# Altium PCB PCB-Tester-Board.PcbDoc (part 4 of 7)
Units mm, origin at the board's own origin, x right, y up, seen from the top; angles counter-clockwise.
Board outline 400 x 300 mm, 8 copper layers (Top Layer, Inner1, Inner2, Inner3, Inner4, Inner5, Inner6, Bottom Layer), stack 1.515 mm thick; 757 components, 658 nets, 2830 pads, 1016 vias.
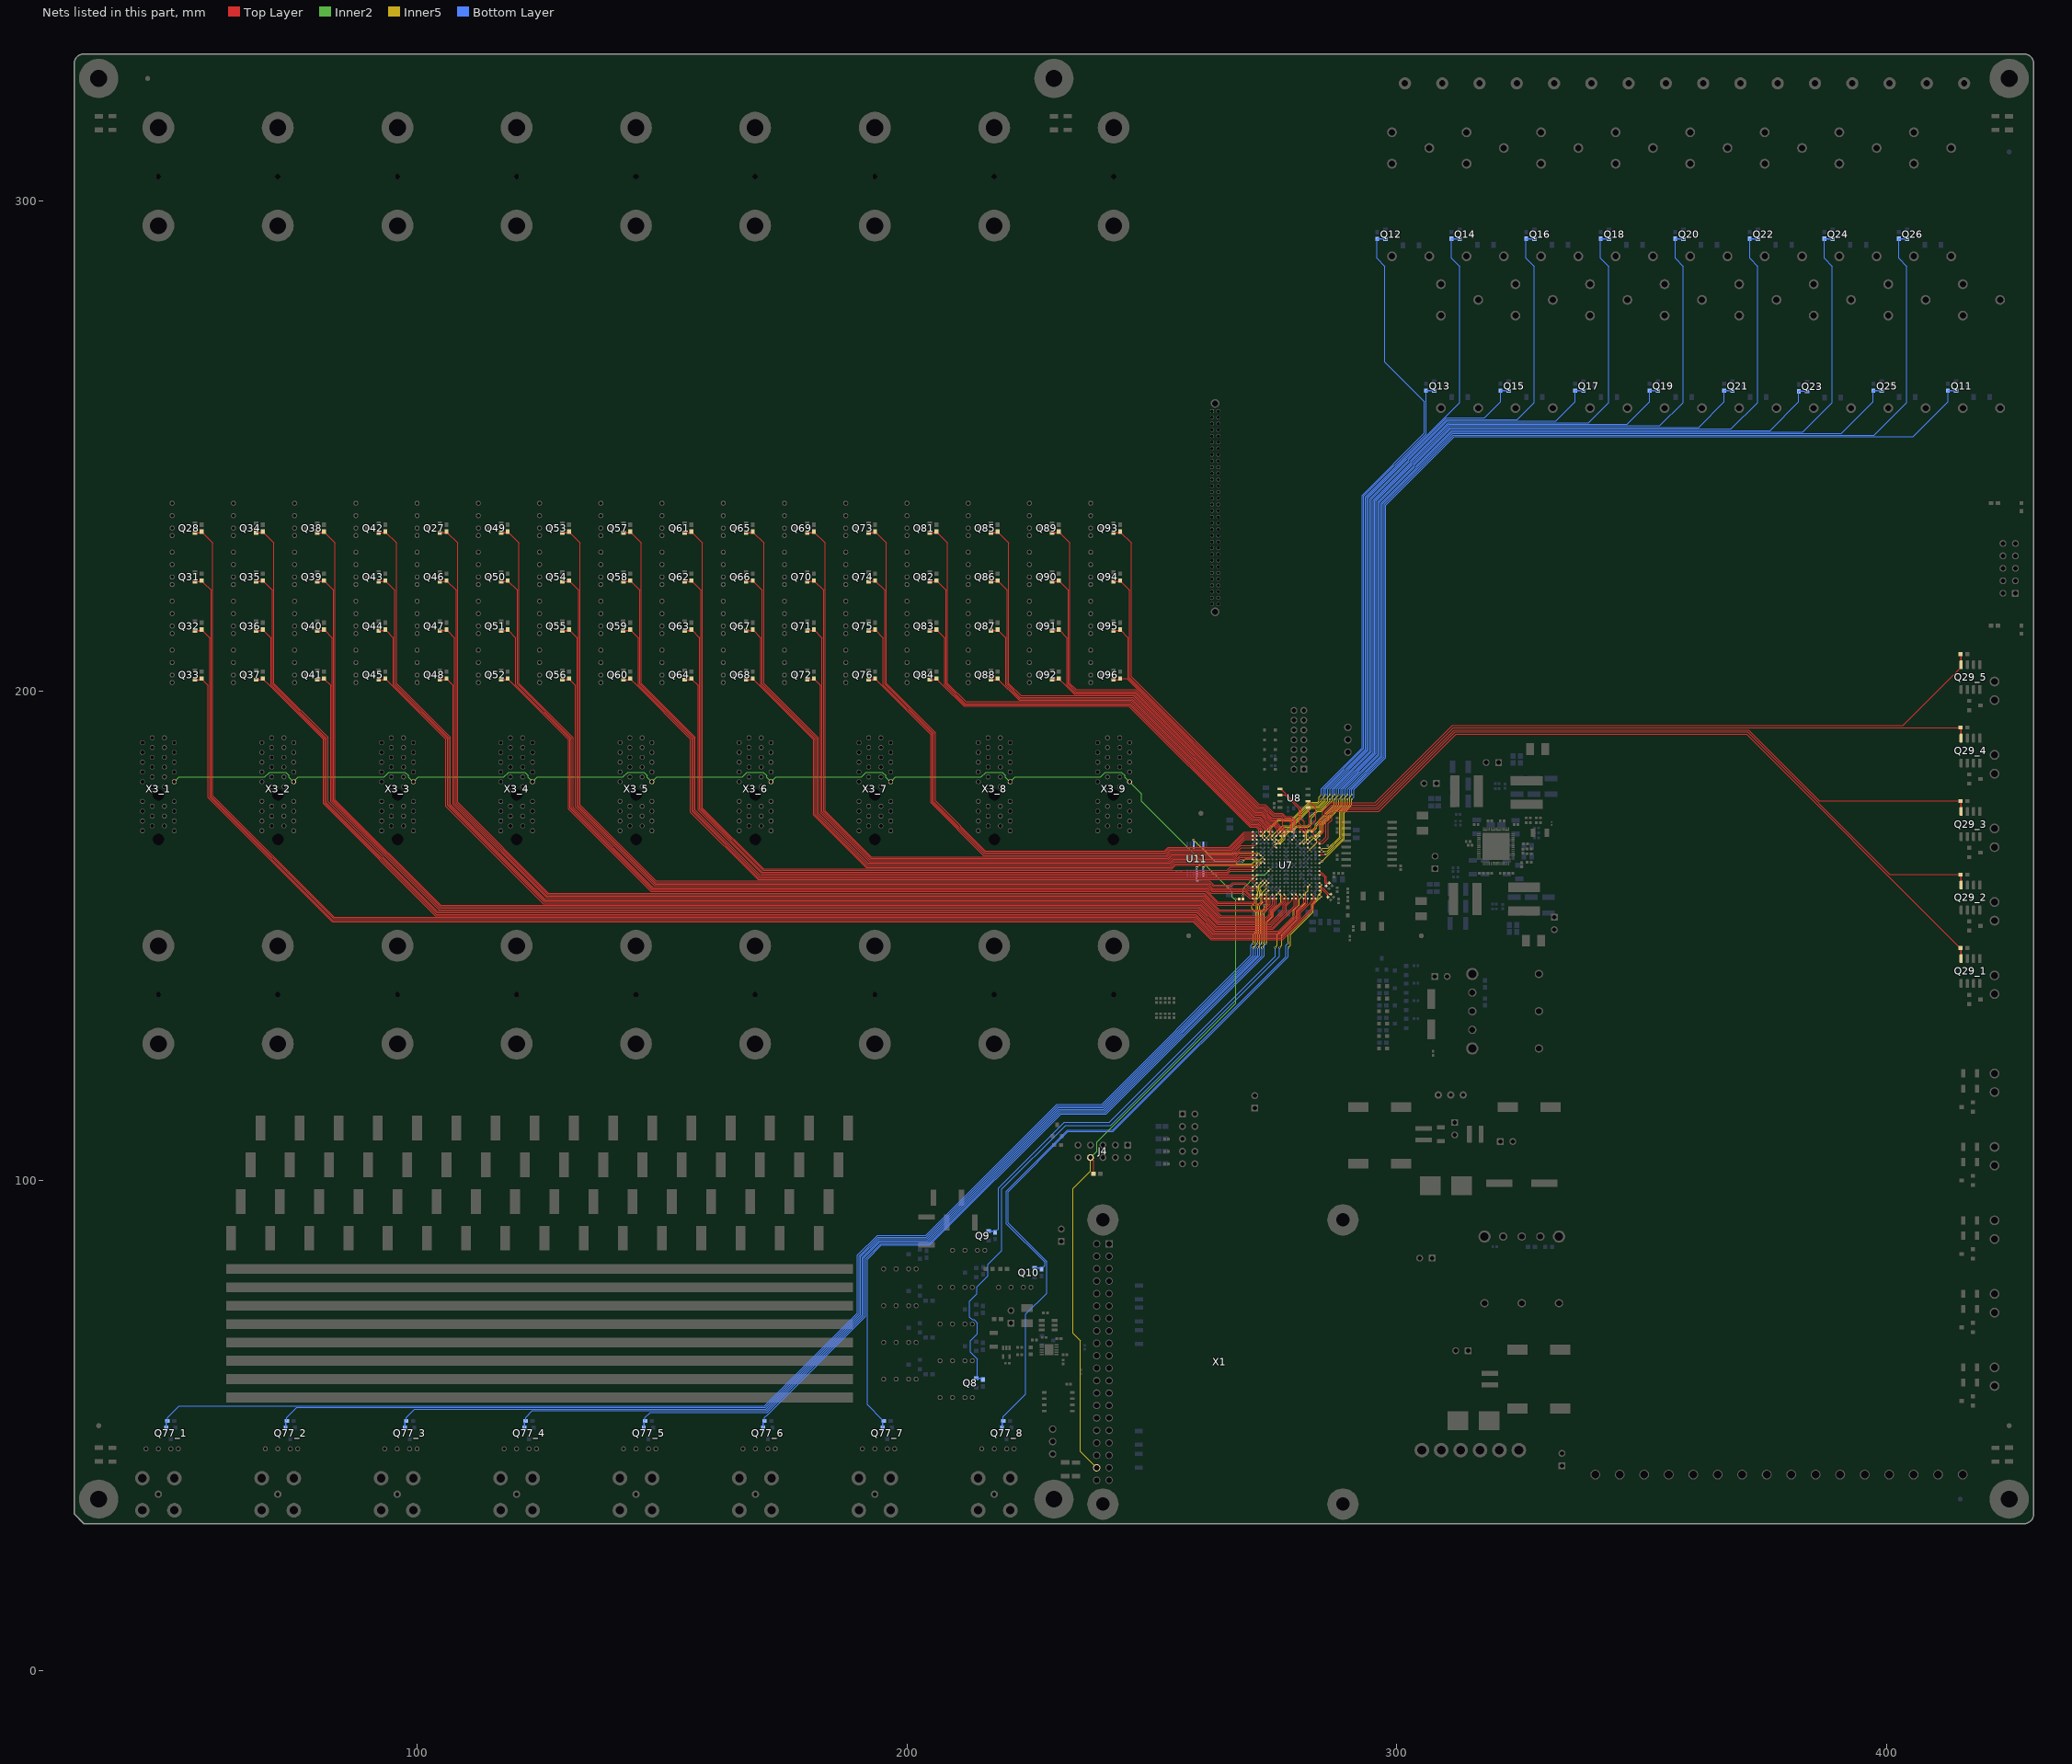
[diagram p10: the nets of this part, all layers, seen from the top]

## Via types
v1: diameter 0.4, hole 0.2, Top Layer to Bottom Layer, 601 vias
v2: diameter 0.8, hole 0.3, Top Layer to Bottom Layer, 361 vias
v3: diameter 0.7, hole 0.3, Top Layer to Bottom Layer, 54 vias

## Nets (pads, with @x,y where several pads share a name; then routed paths per layer and width w, separated by ;. In a path a pad name is that pad's centre, name@x,y a point inside that pad or via, vN(x,y) a via of type N, cw(c..) or ccw(c..) an arc to the next point about the centre after c; other vN are vias at no path point) (continued)
DRV8: Q8.1 R9.2 U7.R15 | length 138.3
  Top Layer w0.152: U7.R15@281.8,160 v1(282.2,160.4)
  Inner5 w0.152: v1(276.058,147.607) 276.505,148.053 276.505,150.206 279.591,153.292 279.591,154.944 281.436,156.788 281.436,158.756 281.868,159.189 281.868,160.068 v1(282.2,160.4)
  Bottom Layer w0.152: Q8.1@214.39,59.94 214.39,63.573 212.98,64.983 212.98,67.362 214.401,68.783 214.401,70.9 213.673,71.628 213.307,71.628 212.8,72.136 212.8,75.456 214.271,76.927 214.271,78.332 216.515,80.576 216.515,82.898 219.323,85.705 219.323,98.278 232.361,111.316 241.565,111.316 276.058,145.809 v1(276.058,147.607)
  Bottom Layer w0.254: Q8.1@214.13,59.68 R9.2@215.25,59.68
DRV9: Q9.1 R14.2 U7.U13 | length 101.3
  Top Layer w0.152: U7.U13@280.2,158.4 v1(280.6,158)
  Inner5 w0.152: v1(275.165,147.607) 275.612,148.053 275.612,150.206 278.898,153.492 278.898,155.17 280.043,156.315 280.043,157.443 v1(280.6,158)
  Bottom Layer w0.152: R14.2@218.141,89.661 218.324,89.844 218.326,89.844 218.669,90.187 218.669,98.548 232.09,111.97 241.294,111.97 275.165,145.841 v1(275.165,147.607)
  Bottom Layer w0.254: Q9.1@216.67,89.72 R14.2@217.79,89.72
DRV10: Q10.1 R15.2 U7.P18 | length 115.2
  Top Layer w0.152: U7.P18@284.2,160.8 v1(284.6,160.4)
  Inner5 w0.152: v1(277.845,148.5) 277.845,150.222 282.598,154.975 282.598,156.461 283.895,157.757 283.895,158.177 284.6,158.882 v1(284.6,160.4)
  Bottom Layer w0.152: R15.2@227.762,82.294 227.772,82.304 228.171,82.703 228.171,83.36 220.304,91.227 220.304,97.871 232.767,110.334 241.972,110.334 277.398,145.761 277.398,148.053 v1(277.845,148.5)
  Bottom Layer w0.254: Q10.1@226.078,82.18 R15.2@227.198,82.18
DRV11: Q29_5.1 R38_5.2 U7.B17 | length 151.2
  Top Layer w0.127: 283,170.8 283,171.6
  Top Layer w0.152: 283,170.8 U7.B17@283.4,170.4
  Top Layer w0.203: 283,171.6 284.155,172.755 284.155,173.665 284.89,174.4 284.89,175.487 286.585,177.181 295.591,177.181 311.364,192.955 403.37,192.955 415.19,204.775 Q29_5.1@415.19,205.35
  Top Layer w0.254: R38_5.2@415.05,207.5 415.19,207.36 Q29_5.1@415.19,205.35
DRV12: Q29_4.1 R38_4.2 U7.A18 | length 143.4
  Top Layer w0.152: U7.A18@284.2,171.2 284.6,171.6
  Top Layer w0.203: 284.61,171.6 284.61,173.477 285.345,174.212 285.345,175.298 286.773,176.726 295.779,176.726 311.553,192.5 R38_4.2@415.05,192.5
  Top Layer w0.254: Q29_4.1@415.19,190.35 R38_4.2@415.19,192.36
DRV13: Q29_3.1 R38_3.2 U7.B18 | length 149.7
  Top Layer w0.152: U7.B18@284.2,170.4 284.6,170.8
  Top Layer w0.203: 284.6,170.8 285.065,171.265 285.065,173.288 285.8,174.023 285.8,175.11 286.962,176.272 295.968,176.272 311.741,192.045 371.742,192.045 386.287,177.5 R38_3.2@415.05,177.5
  Top Layer w0.254: Q29_3.1@415.19,175.35 R38_3.2@415.19,177.36
DRV14: Q29_2.1 R38_2.2 U7.C17 | length 157.5
  Top Layer w0.127: 283.8,169.2 284.6,169.2
  Top Layer w0.152: U7.C17@283.4,169.6 283.8,169.2
  Top Layer w0.203: 284.6,169.2 285.52,170.12 285.52,173.1 286.255,173.835 286.255,174.922 287.15,175.817 296.156,175.817 311.93,191.59 371.553,191.59 400.643,162.5 R38_2.2@415.05,162.5
  Top Layer w0.254: Q29_2.1@415.19,160.35 R38_2.2@415.19,162.36
DRV15: Q29_1.1 R38_1.2 U7.D18 | length 162.6
  Top Layer w0.152: U7.D18@284.2,168.8 284.817,168.8 284.962,168.945
  Top Layer w0.203: 284.962,168.945 285.975,169.958 285.975,172.911 286.71,173.646 286.71,174.733 287.338,175.362 296.345,175.362 312.118,191.135 371.365,191.135 414.702,147.798 415,147.5 R38_1.2@415.05,147.5
  Top Layer w0.254: Q29_1.1@415.19,145.35 R38_1.2@415.19,147.36
DRV16: Q77_1.1 R1_1.2 U7.P2 | length 285.8
  Top Layer w0.152: v1(271,160.4) U7.P2@271.4,160.8
  Inner5 w0.152: v1(270.7,148.5) 270.7,150.362 271.223,150.885 271.223,154.746 270.418,155.551 270.418,156.111 271.007,156.7 271.007,157.585 271.634,158.213 271.634,158.952 271.493,159.094 271.493,159.907 v1(271,160.4)
  Bottom Layer w0.152: R1_1.2@49.027,50.986 49.027,51.654 51.399,54.026 170.943,54.026 189.906,72.988 189.906,84.768 193.969,88.831 203.826,88.831 230.589,115.593 239.793,115.593 270.253,146.053 270.253,148.053 v1(270.7,148.5)
  Bottom Layer w0.254: Q77_1.1@48.777,49.603 48.777,50.736 R1_1.2@49.027,50.986
DRV17: Q77_2.1 R1_2.2 U7.P3 | length 261.9
  Top Layer w0.152: U7.P3@272.2,160.8 v1(272.6,161.2)
  Inner5 w0.152: v1(270.7,147.607) 271.147,148.053 271.147,150.346 271.55,150.75 271.55,154.947 271.329,155.168 271.329,157.427 271.961,158.058 271.961,159.085 271.807,159.239 271.807,160.407 v1(272.6,161.2)
  Bottom Layer w0.152: R1_2.2@73.402,50.986 73.402,51.641 75.455,53.694 171.081,53.694 190.238,72.851 190.238,84.631 194.106,88.5 203.964,88.5 230.726,115.262 239.931,115.262 270.7,146.031 v1(270.7,147.607)
  Bottom Layer w0.254: Q77_2.1@73.153,49.603 R1_2.2@73.153,50.736
DRV18: Q77_3.1 R1_3.2 U7.P4 | length 238.2
  Top Layer w0.152: U7.P4@273,160.8 v1(273.4,161.2)
  Inner5 w0.152: v1(271.593,148.5) 271.593,150.362 271.855,150.624 271.855,155.073 271.634,155.294 271.634,156.286 272.284,156.937 272.284,159.239 272.119,159.404 272.119,159.919 v1(273.4,161.2)
  Bottom Layer w0.152: R1_3.2@97.778,50.986 97.778,51.641 99.499,53.363 171.218,53.363 190.569,72.714 190.569,84.494 194.244,88.168 204.101,88.168 230.863,114.931 240.068,114.931 271.147,146.009 271.147,148.053 v1(271.593,148.5)
  Bottom Layer w0.254: Q77_3.1@97.528,49.603 R1_3.2@97.528,50.736
DRV19: Q77_4.1 R1_4.2 U7.P5 | length 213.1
  Top Layer w0.152: v1(273.4,160.4) U7.P5@273.8,160.8
  Inner5 w0.152: v1(271.593,147.607) 272.04,148.053 272.04,150.346 272.182,150.488 272.182,155.208 271.961,155.429 271.961,156.151 272.599,156.789 272.599,158.899 273.4,159.7 v1(273.4,160.4)
  Bottom Layer w0.152: R1_4.2@122.152,50.986 122.152,51.641 123.543,53.032 171.355,53.032 190.9,72.577 190.9,84.356 194.381,87.837 204.238,87.837 231.001,114.599 240.205,114.599 271.593,145.987 v1(271.593,147.607)
  Bottom Layer w0.254: Q77_4.1@121.902,49.603 R1_4.2@121.902,50.736
DRV20: Q77_5.1 R1_5.2 U7.U4 | length 186.4
  Top Layer w0.127: 273.4,157.2 273.4,158
  Top Layer w0.152: v1(272.91,156.286) 273.4,156.776 273.4,157.2 ; U7.U4@273,158.4 273.4,158
  Inner5 w0.152: v1(272.486,148.5) 272.486,155.011 272.91,155.435 v1(272.91,156.286)
  Bottom Layer w0.152: R1_5.2@146.527,50.986 146.527,51.641 147.586,52.7 171.493,52.7 191.232,72.439 191.232,84.219 194.518,87.505 204.376,87.505 231.138,114.268 240.343,114.268 272.04,145.965 272.04,148.053 v1(272.486,148.5)
  Bottom Layer w0.254: Q77_5.1@146.278,49.603 R1_5.2@146.278,50.736
DRV21: Q77_6.1 R1_6.2 U7.T5 | length 163.1
  Top Layer w0.152: v1(273.4,158.8) U7.T5@273.8,159.2
  Inner5 w0.152: v1(272.486,147.607) 272.933,148.053 272.933,154.774 273.4,155.242 v1(273.4,158.8)
  Bottom Layer w0.152: R1_6.2@170.903,50.986 170.903,51.641 171.63,52.369 191.563,72.302 191.563,84.082 194.655,87.174 204.513,87.174 231.275,113.936 240.48,113.936 272.486,145.943 v1(272.486,147.607)
  Bottom Layer w0.254: Q77_6.1@170.653,49.603 R1_6.2@170.653,50.736
DRV22: Q77_7.1 R1_7.2 U7.T8 | length 157.3
  Top Layer w0.152: v1(275.8,158.8) U7.T8@276.2,159.2
  Inner5 w0.152: v1(273.379,148.5) 273.379,152.762 274.504,153.887 274.504,155.013 276.285,156.794 276.285,158.315 v1(275.8,158.8)
  Bottom Layer w0.152: R1_7.2@195.278,50.986 194.954,51.31 194.892,51.31 191.895,54.308 191.895,83.945 194.793,86.843 204.65,86.843 231.412,113.605 240.617,113.605 272.933,145.921 272.933,148.053 v1(273.379,148.5)
  Bottom Layer w0.254: Q77_7.1@195.028,49.603 R1_7.2@195.028,50.736
DRV23: Q77_8.1 R1_8.2 U7.U18 | length 147.5
  Top Layer w0.152: U7.U18@284.2,158.4 v1(284.6,158)
  Inner5 w0.152: v1(277.845,147.607) 278.291,148.053 278.291,150.206 282.925,154.84 282.925,156.325 v1(284.6,158)
  Bottom Layer w0.152: R1_8.2@219.652,50.986 219.652,51.844 224.231,56.423 224.231,72.777 228.498,77.044 228.498,83.495 220.631,91.363 220.631,97.736 232.903,110.007 242.107,110.007 277.845,145.745 v1(277.845,147.607)
  Bottom Layer w0.254: Q77_8.1@219.402,49.603 R1_8.2@219.402,50.736
DRV24: Q12.1 R17.2 U7.C4 | length 144.9
  Top Layer w0.152: v1(272.6,170) U7.C4@273,169.6
  Inner5 w0.152: v1(272.6,170) 272.6,170.653 275.767,173.819 278.57,173.819 282.014,177.263 283.832,177.263 284.115,177.546 284.115,178.331 v1(284.562,178.778)
  Bottom Layer w0.152: v1(284.562,178.778) 284.562,180.007 292.92,188.366 292.92,239.901 305.623,252.604 305.623,259.019 297.581,267.061 297.581,286.664 295.943,288.302 R17.2@295.943,292.27
  Bottom Layer w0.254: R17.2@295.981,292.231 Q12.1@297.669,292.231
DRV25: Q13.1 R18.2 U7.C5 | length 109.7
  Top Layer w0.152: v1(273.4,170) U7.C5@273.8,169.6
  Inner5 w0.152: v1(273.4,170) 274.1,170.7 274.1,171.7 275.899,173.499 278.702,173.499 282.146,176.943 283.964,176.943 284.562,177.54 v1(284.562,177.885)
  Bottom Layer w0.152: v1(284.562,177.885) 285.008,178.331 285.008,180.001 293.24,188.233 293.24,239.769 305.943,252.471 R18.2@305.943,261.27
  Bottom Layer w0.254: R18.2@305.943,261.27 Q13.1@307.63,261.27
DRV26: Q14.1 R19.2 U7.C6 | length 143.1
  Top Layer w0.152: v1(274.2,170) U7.C6@274.6,169.6
  Inner5 w0.152: v1(274.2,170) 276.722,172.522 278.166,172.522 282.275,176.631 284.093,176.631 285.008,177.546 285.008,178.331 v1(285.455,178.778)
  Bottom Layer w0.152: v1(285.455,178.778) 285.455,179.995 293.56,188.101 293.56,239.636 312.801,258.877 312.801,286.664 311.163,288.302 R19.2@311.163,292.27
  Bottom Layer w0.254: R19.2@311.163,292.27 Q14.1@312.85,292.27
DRV27: Q15.1 R20.2 U7.C7 | length 118.9
  Top Layer w0.152: v1(275,170) U7.C7@275.4,169.6
  Inner5 w0.152: v1(275,170) 277.202,172.202 278.298,172.202 282.408,176.312 284.226,176.312 285.455,177.54 v1(285.455,177.885)
  Bottom Layer w0.152: v1(285.455,177.885) 285.901,178.331 285.901,179.989 293.88,187.968 293.88,239.503 310.079,255.702 317.881,255.702 321.163,258.984 R20.2@321.163,261.27
  Bottom Layer w0.254: R20.2@321.163,261.27 Q15.1@322.85,261.27
DRV28: Q16.1 R21.2 U7.D7 | length 158.3
  Top Layer w0.152: v1(275,169.2) U7.D7@275.4,168.8
  Inner5 w0.127: 275.4,169.6 276.141,169.6
  Inner5 w0.152: v1(275,169.2) 275.4,169.6 ; 276.141,169.6 276.506,169.966 276.506,170.664 277.722,171.879 278.416,171.879 282.537,176 284.355,176 285.901,177.546 285.901,178.331 v1(286.348,178.778)
  Bottom Layer w0.152: v1(286.348,178.778) 286.348,179.983 294.2,187.836 294.2,239.371 310.211,255.382 324.526,255.382 328.021,258.877 328.021,286.664 326.383,288.302 R21.2@326.383,292.27
  Bottom Layer w0.254: R21.2@326.383,292.27 Q16.1@328.07,292.27
DRV29: Q17.1 R22.2 U7.D8 | length 134.8
  Top Layer w0.152: v1(275.8,169.2) U7.D8@276.2,168.8
  Inner5 w0.152: v1(275.8,169.2) 276.183,169.2 276.819,169.836 276.819,170.535 277.851,171.566 278.545,171.566 279.492,172.513 281.822,172.513 282.162,172.853 282.162,174.143 283.699,175.68 284.488,175.68 286.348,177.54 v1(286.348,177.885)
  Bottom Layer w0.152: v1(286.348,177.885) 286.794,178.331 286.794,179.977 294.52,187.703 294.52,239.238 310.344,255.062 332.461,255.062 336.383,258.984 R22.2@336.383,261.27
  Bottom Layer w0.254: R22.2@336.383,261.27 Q17.1@338.07,261.27
DRV30: Q18.1 R23.2 U7.E7 | length 174.6
  Top Layer w0.152: v1(275,168.4) U7.E7@275.4,168
  Inner5 w0.127: 275.4,168.8 276.223,168.8
  Inner5 w0.152: v1(275,168.4) 275.4,168.8 ; 276.223,168.8 277.131,169.707 277.131,170.406 277.98,171.255 278.674,171.255 279.621,172.202 281.951,172.202 282.473,172.724 282.473,174.014 283.828,175.369 284.617,175.369 286.794,177.546 286.794,178.331 v1(287.241,178.778)
  Bottom Layer w0.152: v1(287.241,178.778) 287.244,178.781 287.244,179.975 294.84,187.571 294.84,239.106 310.476,254.742 339.106,254.742 343.241,258.877 343.241,286.664 341.603,288.302 R23.2@341.603,292.27
  Bottom Layer w0.254: R23.2@341.603,292.27 Q18.1@343.29,292.27
DRV31: Q19.1 R24.2 U7.D13 | length 145.7
  Top Layer w0.152: U7.D13@280.2,168.8 v1(280.6,169.2)
  Inner5 w0.152: v1(280.6,169.2) 281.278,169.878 281.278,171.112 281.829,171.662 282.811,171.662 283.318,172.168 283.318,172.732 287.241,176.656 v1(287.241,177.885)
  Bottom Layer w0.152: v1(287.241,177.885) 287.687,178.331 287.687,179.965 295.16,187.438 295.16,238.973 ; 295.16,238.973 310.609,254.422 347.041,254.422 351.603,258.984 R24.2@351.603,261.27
  Bottom Layer w0.254: R24.2@351.603,261.27 Q19.1@353.29,261.27
DRV32: Q20.1 R25.2 U7.D14 | length 183.7
  Top Layer w0.152: U7.D14@281,168.8 v1(281.4,169.2)
  Inner5 w0.152: v1(281.4,169.2) 281.4,169.223 281.59,169.413 281.59,170.983 281.958,171.351 282.94,171.351 283.629,172.039 283.629,172.603 287.687,176.662 287.687,178.331 v1(288.134,178.778)
  Bottom Layer w0.152: v1(288.134,178.778) 288.143,178.787 288.143,179.969 295.48,187.306 295.48,238.841 310.741,254.102 353.686,254.102 358.461,258.877 358.461,286.664 356.823,288.302 R25.2@356.823,292.27
  Bottom Layer w0.254: R25.2@356.823,292.27 Q20.1@358.51,292.27
DRV33: Q21.1 R26.2 U7.C15 | length 158.7
  Top Layer w0.152: U7.C15@281.8,169.6 v1(282.2,170)
  Inner5 w0.152: v1(282.2,170) 282.454,170.254 283.136,170.254 284.265,171.383 284.265,172.786 288.134,176.656 v1(288.134,177.885)
  Bottom Layer w0.152: v1(288.134,177.885) 288.58,178.331 288.58,179.953 295.8,187.173 295.8,238.708 310.874,253.782 361.621,253.782 366.823,258.984 R26.2@366.823,261.27
  Bottom Layer w0.254: R26.2@366.823,261.27 Q21.1@368.51,261.27
DRV34: Q22.1 R27.2 U7.D15 | length 197.6
  Top Layer w0.152: U7.D15@281.8,168.8 v1(282.2,169.2)
  Inner5 w0.152: v1(282.2,169.2) 282.943,169.943 283.265,169.943 284.576,171.254 284.576,172.657 288.58,176.662 288.58,178.331 v1(289.027,178.778)
  Bottom Layer w0.152: v1(289.027,178.778) 289.027,179.947 296.12,187.04 296.12,238.576 311.006,253.462 368.266,253.462 373.681,258.877 373.681,286.664 372.043,288.302 R27.2@372.043,292.27
  Bottom Layer w0.254: R27.2@372.043,292.27 Q22.1@373.73,292.27
DRV35: Q23.1 R28.2 U7.E15 | length 175.3
  Top Layer w0.152: U7.E15@281.8,168 v1(282.2,167.6)
  Inner5 w0.152: v1(282.2,167.6) 283.607,169.007 283.607,169.832 284.896,171.121 284.896,172.525 289.027,176.656 v1(289.027,177.885)
  Bottom Layer w0.152: v1(289.027,177.885) 289.473,178.331 289.473,179.941 296.44,186.908 296.44,238.443 311.139,253.142 376.201,253.142 382.043,258.984 R28.2@382.043,261.137
  Bottom Layer w0.254: R28.2@382.043,261.137 Q23.1@383.73,261.137
DRV36: Q24.1 R29.2 U7.E18 | length 213.4
  Top Layer w0.152: U7.E18@284.2,168 v1(284.6,167.6)
  Inner5 w0.152: v1(284.6,167.6) 284.855,167.855 286.028,167.855 288.326,170.153 288.326,175.514 289.473,176.662 289.473,178.331 v1(289.92,178.778)
  Bottom Layer w0.152: v1(289.92,178.778) 289.92,179.935 296.76,186.775 296.76,238.311 311.271,252.822 382.846,252.822 388.901,258.877 388.901,286.664 387.263,288.302 R29.2@387.263,292.27
  Bottom Layer w0.254: R29.2@387.263,292.27 Q24.1@388.95,292.27
DRV37: Q25.1 R30.2 U7.F18 | length 190.2
  Top Layer w0.152: U7.F18@284.207,167.2 284.412,166.995 284.81,166.995 v1(285.015,167.2)
  Inner5 w0.152: v1(285.015,167.2) 285.826,167.2 288.646,170.02 288.646,175.382 289.92,176.656 v1(289.92,177.885)
  Bottom Layer w0.152: v1(289.92,177.885) 290.367,178.331 290.367,179.929 297.08,186.643 297.08,238.178 311.404,252.502 390.781,252.502 397.263,258.984 R30.2@397.263,261.27
  Bottom Layer w0.254: R30.2@397.263,261.27 Q25.1@398.95,261.27
DRV38: Q26.1 R31.2 U7.G18 | length 229
  Top Layer w0.152: U7.G18@284.2,166.4 284.213,166.4 284.418,166.605 v1(285.4,166.605)
  Inner5 w0.152: v1(285.4,166.605) 285.415,166.62 285.686,166.62 288.958,169.891 288.958,175.253 290.367,176.662 290.367,178.331 v1(290.813,178.778)
  Bottom Layer w0.152: v1(290.813,178.778) 290.813,179.924 297.4,186.51 297.4,238.046 311.536,252.182 397.426,252.182 404.121,258.877 404.121,286.664 402.483,288.302 R31.2@402.483,292.27
  Bottom Layer w0.254: R31.2@402.483,292.27 Q26.1@404.17,292.27
DRV39: Q11.1 R16.2 U7.J18 | length 206.2
  Top Layer w0.152: U7.J18@284.2,164.8 v1(284.677,165.158)
  Inner5 w0.152: v1(284.677,165.158) 289.277,169.759 289.277,175.12 290.813,176.656 v1(290.813,177.885)
  Bottom Layer w0.152: v1(290.813,177.885) 291.26,178.331 291.26,179.918 297.72,186.378 297.72,237.913 311.669,251.862 405.361,251.862 412.483,258.984 R16.2@412.483,261.27
  Bottom Layer w0.254: R16.2@412.483,261.27 Q11.1@414.17,261.27
DRV40: Q28.1 R33.2 U7.V15 | length 295.9
  Top Layer w0.152: R33.2@56,232.522 56,232.472 58.283,230.189 58.283,178.56 83.064,153.778 258.745,153.778 262.431,150.092 276.284,150.092 280.099,153.907 280.099,154.901 281.8,156.603 U7.V15@281.8,157.6
  Top Layer w0.254: Q28.1@54.65,232.272 55.75,232.272 R33.2@56,232.522
DRV41: Q31.1 R48.2 U7.V16 | length 286.7
  Top Layer w0.152: R48.2@56,222.522 56,222.472 56.324,222.148 57.976,220.496 57.976,178.433 82.938,153.472 258.618,153.472 262.304,149.786 276.411,149.786 280.405,153.78 280.405,154.774 282.6,156.969 U7.V16@282.6,157.6
  Top Layer w0.254: Q31.1@54.65,222.272 R48.2@55.75,222.272
DRV42: Q32.1 R49.2 U7.U16 | length 278.6
  Top Layer w0.127: 283,157.2 283,158
  Top Layer w0.152: R49.2@56,212.522 56.324,212.198 56.324,212.147 57.67,210.801 57.67,178.306 82.811,153.165 258.492,153.165 262.177,149.48 276.537,149.48 282.642,155.584 282.642,156.465 283,156.823 283,157.2 ; U7.U16@282.6,158.4 283,158
  Top Layer w0.254: Q32.1@54.65,212.272 R49.2@55.75,212.272
DRV43: Q33.1 R50.2 U7.V17 | length 268.5
  Top Layer w0.152: R50.2@56,202.522 56.324,202.198 56.324,202.147 57.364,201.107 57.364,178.179 82.684,152.859 258.365,152.859 262.05,149.173 276.664,149.173 282.948,155.457 282.948,156.338 283.4,156.79 U7.V17@283.4,157.6
  Top Layer w0.254: Q33.1@54.65,202.272 R50.2@55.75,202.272
DRV44: Q34.1 R51.2 U7.V12 | length 273.7
  Top Layer w0.152: R51.2@68.5,232.472 70.783,230.189 70.783,201.488 81.797,190.474 81.797,177.33 104.117,155.01 259.256,155.01 262.941,151.324 274.725,151.324 279.4,155.999 U7.V12@279.4,157.6
  Top Layer w0.254: Q34.1@67.15,232.272 R51.2@68.25,232.272
DRV45: Q35.1 R52.2 U7.U12 | length 266.2
  Top Layer w0.127: 279.8,157.2 279.8,158
  Top Layer w0.152: R52.2@68.472,222.5 70.476,220.496 70.476,201.361 81.49,190.347 81.49,177.204 103.99,154.703 259.129,154.703 262.814,151.018 275.9,151.018 279.173,154.291 279.173,155.285 279.8,155.911 279.8,157.2 ; U7.U12@279.4,158.4 279.8,158
  Top Layer w0.254: Q35.1@67.15,222.272 R52.2@68.25,222.272
DRV46: Q36.1 R53.2 U7.V14 | length 256.4
  Top Layer w0.152: R53.2@68.538,212.433 70.17,210.801 70.17,201.234 81.184,190.22 81.184,177.077 103.863,154.397 259.002,154.397 262.687,150.711 276.027,150.711 279.48,154.164 279.48,155.158 281.046,156.724 281.046,157.554 U7.V14@281,157.6
  Top Layer w0.254: Q36.1@67.15,212.272 R53.2@68.25,212.272
DRV47: Q37.1 R54.2 U7.U14 | length 248.3
  Top Layer w0.127: 281.4,157.2 281.4,158
  Top Layer w0.152: R54.2@68.532,202.438 69.864,201.107 80.877,190.093 80.877,176.95 103.737,154.091 258.875,154.091 262.561,150.405 276.154,150.405 279.786,154.037 279.786,155.031 281.4,156.645 281.4,157.2 ; U7.U14@281,158.4 281.4,158
  Top Layer w0.254: Q37.1@67.15,202.272 R54.2@68.25,202.272
DRV48: Q38.1 R55.2 U7.U9 | length 265.4
  Top Layer w0.127: 277.4,157.2 277.4,158
  Top Layer w0.152: R55.2@81,232.472 83.283,230.189 83.283,177.774 104.816,156.242 259.766,156.242 263.451,152.556 274.089,152.556 276.839,155.306 276.839,156.357 277.4,156.918 277.4,157.2 ; U7.U9@277,158.4 277.4,158
  Top Layer w0.254: Q38.1@79.65,232.272 R55.2@80.75,232.272
DRV49: Q39.1 R56.2 U7.V10 | length 255.4
  Top Layer w0.152: R56.2@80.972,222.5 82.976,220.496 82.976,177.647 104.689,155.935 259.639,155.935 263.325,152.249 274.216,152.249 277.146,155.179 277.146,156.23 277.8,156.884 U7.V10@277.8,157.6
  Top Layer w0.254: Q39.1@79.65,222.272 R56.2@80.75,222.272
DRV50: Q40.1 R57.2 U7.V11 | length 246.4
  Top Layer w0.152: R57.2@81.038,212.433 82.67,210.801 82.67,177.521 104.562,155.629 259.512,155.629 263.198,151.943 274.343,151.943 277.452,155.052 277.452,156.103 278.6,157.251 U7.V11@278.6,157.6
  Top Layer w0.254: Q40.1@79.65,212.272 R57.2@80.75,212.272
DRV51: Q41.1 R58.2 U7.U11 | length 238.4
  Top Layer w0.127: 279,157.2 279,158
  Top Layer w0.152: R58.2@81.032,202.438 82.364,201.107 82.364,177.394 104.435,155.322 259.385,155.322 263.071,151.637 274.596,151.637 279,156.041 279,157.2 ; U7.U11@278.6,158.4 279,158
  Top Layer w0.254: Q41.1@79.65,202.272 R58.2@80.75,202.272
DRV52: Q42.1 R59.2 U7.U7 | length 243.8
  Top Layer w0.127: 275,157.2 275,158
  Top Layer w0.152: R59.2@93.5,232.472 95.783,230.189 95.783,201.488 106.804,190.466 106.804,176.825 126.156,157.473 260.276,157.473 263.962,153.787 273.356,153.787 273.939,154.371 273.939,155.239 275,156.3 275,157.2 ; 275,158 U7.U7@275.4,158.4
  Top Layer w0.254: Q42.1@92.15,232.272 R59.2@93.25,232.272
DRV53: Q43.1 R60.2 U7.V7 | length 233.7
  Top Layer w0.152: R60.2@93.472,222.5 95.476,220.496 95.476,201.361 106.498,190.339 106.498,176.698 126.029,157.167 260.149,157.167 263.835,153.481 273.482,153.481 274.246,154.244 274.246,155.112 275.351,156.217 U7.V7@275.351,157.549
  Top Layer w0.254: Q43.1@92.15,222.272 R60.2@93.25,222.272
DRV54: Q44.1 R61.2 U7.U8 | length 225.9
  Top Layer w0.127: 276.6,157.2 276.6,158
  Top Layer w0.152: R61.2@93.538,212.433 95.17,210.801 95.17,201.234 106.192,190.212 106.192,176.571 125.902,156.86 260.022,156.86 263.708,153.175 273.609,153.175 274.552,154.117 274.552,154.985 276.6,157.033 276.6,157.2 ; U7.U8@276.2,158.4 276.6,158
  Top Layer w0.254: Q44.1@92.15,212.272 R61.2@93.25,212.272
DRV55: Q45.1 R62.2 U7.V9 | length 215.9
  Top Layer w0.152: R62.2@93.532,202.438 94.864,201.107 105.885,190.085 105.885,176.444 125.775,156.554 259.895,156.554 263.581,152.868 273.736,152.868 274.858,153.99 274.858,154.858 277,157 U7.V9@277,157.6
  Top Layer w0.254: Q45.1@92.15,202.272 R62.2@93.25,202.272
DRV56: Q27.1 R32.2 U7.V4 | length 231.6
  Top Layer w0.152: R32.2@106,232.472 108.283,230.189 108.283,177.217 126.795,158.705 260.786,158.705 263.245,156.246 272.165,156.246 273,157.081 U7.V4@273,157.6
  Top Layer w0.254: Q27.1@104.65,232.272 R32.2@105.75,232.272
DRV57: Q46.1 R63.2 U7.V5 | length 223.8
  Top Layer w0.152: R63.2@105.972,222.5 107.976,220.496 107.976,177.09 126.668,158.399 260.659,158.399 263.758,155.3 272.592,155.3 273.8,156.508 U7.V5@273.8,157.6
  Top Layer w0.254: Q46.1@104.65,222.272 R63.2@105.75,222.272
DRV58: Q47.1 R64.2 U7.U6 | length 215.6
  Top Layer w0.127: 274.2,157.2 274.2,158
  Top Layer w0.152: R64.2@106.038,212.433 107.67,210.801 107.67,176.963 126.541,158.092 260.532,158.092 263.631,154.994 272.719,154.994 274.2,156.475 274.2,157.2 ; 274.2,158 U7.U6@274.6,158.4
  Top Layer w0.254: Q47.1@104.65,212.272 R64.2@105.75,212.272
DRV59: Q48.1 R65.2 U7.V6 | length 206.1
  Top Layer w0.152: R65.2@106.032,202.438 107.364,201.107 107.364,176.836 126.414,157.786 260.405,157.786 264.091,154.1 272.3,154.1 274.6,156.4 U7.V6@274.6,157.6
  Top Layer w0.254: Q48.1@104.65,202.272 R65.2@105.75,202.272
DRV60: Q49.1 R66.2 U7.U2 | length 210.1
  Top Layer w0.127: 270.2,158 271,158
  Top Layer w0.152: R66.2@118.5,232.472 120.783,230.189 120.783,201.488 131.831,190.439 131.831,176.25 148.145,159.937 261.296,159.937 262.222,159.011 268.987,159.011 269.999,158 270.2,158 ; 271,158 U7.U2@271.4,158.4
  Top Layer w0.254: Q49.1@117.15,232.272 R66.2@118.25,232.272
DRV61: Q50.1 R67.2 U7.V1 | length 199.6
  Top Layer w0.152: R67.2@118.472,222.5 120.476,220.496 120.476,201.361 131.525,190.312 131.525,176.123 148.018,159.63 261.169,159.63 262.095,158.705 268.861,158.705 269.966,157.6 U7.V1@270.6,157.6
  Top Layer w0.254: Q50.1@117.15,222.272 R67.2@118.25,222.272
DRV62: Q51.1 R68.2 U7.V2 | length 191.2
  Top Layer w0.152: R68.2@118.538,212.433 120.17,210.801 120.17,201.234 131.219,190.185 131.219,175.996 147.891,159.324 261.042,159.324 263.473,156.894 270.694,156.894 U7.V2@271.4,157.6
  Top Layer w0.254: Q51.1@117.15,212.272 R68.2@118.25,212.272
DRV63: Q52.1 R69.2 U7.U3 | length 184.1
  Top Layer w0.127: 272.6,157.2 272.6,158
  Top Layer w0.152: R69.2@118.532,202.438 119.864,201.107 130.912,190.058 130.912,175.87 147.764,159.017 260.916,159.017 263.346,156.587 271.987,156.587 272.6,157.2 ; U7.U3@272.2,158.4 272.6,158
  Top Layer w0.254: Q52.1@117.15,202.272 R69.2@118.25,202.272
DRV64: Q53.1 R70.2 U7.R1 | length 202.5
  Top Layer w0.152: R70.2@131,232.472 133.283,230.189 133.283,176.682 148.796,161.168 261.806,161.168 262.611,160.364 266.02,160.364 266.513,160.857 268.955,160.857 269.844,159.968 270.568,159.968 U7.R1@270.6,160
  Top Layer w0.254: Q53.1@129.65,232.272 R70.2@130.75,232.272
DRV65: Q54.1 R71.2 U7.R2 | length 193.9
  Top Layer w0.127: 270.2,159.6 271,159.6
  Top Layer w0.152: R71.2@130.972,222.5 132.976,220.496 132.976,176.555 148.669,160.862 261.68,160.862 262.484,160.058 266.147,160.058 266.64,160.55 268.828,160.55 269.778,159.6 270.2,159.6 ; 271,159.6 U7.R2@271.4,160
  Top Layer w0.254: Q54.1@129.65,222.272 R71.2@130.75,222.272
DRV66: Q55.1 R72.2 U7.T1 | length 182.8
  Top Layer w0.152: R72.2@131.038,212.433 132.67,210.801 132.67,176.428 148.542,160.556 261.553,160.556 262.478,159.63 269.244,159.63 269.674,159.2 U7.T1@270.6,159.2
  Top Layer w0.254: Q55.1@129.65,212.272 R72.2@130.75,212.272
DRV67: Q56.1 R73.2 U7.U1 | length 173.4
  Top Layer w0.152: R73.2@131.032,202.438 132.364,201.107 132.364,176.301 148.416,160.249 261.426,160.249 262.351,159.324 269.117,159.324 270.041,158.4 U7.U1@270.6,158.4
  Top Layer w0.254: Q56.1@129.65,202.272 R73.2@130.75,202.272
DRV68: Q57.1 R74.2 U7.M1 | length 182.8
  Top Layer w0.152: R74.2@143.5,232.472 145.783,230.189 145.783,201.488 156.758,190.513 156.758,175.621 169.978,162.4 U7.M1@270.6,162.4
  Top Layer w0.254: Q57.1@142.15,232.272 R74.2@143.25,232.272
DRV69: Q58.1 R75.2 U7.M2 | length 174.2
  Top Layer w0.127: 270.2,162 271,162
  Top Layer w0.152: R75.2@143.472,222.5 145.476,220.496 145.476,201.361 156.451,190.386 156.451,175.494 169.852,162.094 270.106,162.094 270.2,162 ; 271,162 U7.M2@271.4,162.4
  Top Layer w0.254: Q58.1@142.15,222.272 R75.2@143.25,222.272
DRV70: Q59.1 R76.2 U7.N1 | length 163.5
  Top Layer w0.152: R76.2@143.538,212.433 145.17,210.801 145.17,201.234 156.145,190.259 156.145,175.367 169.725,161.787 269.91,161.787 270.098,161.6 U7.N1@270.6,161.6
  Top Layer w0.254: Q59.1@142.15,212.272 R76.2@143.25,212.272
DRV71: Q60.1 R77.2 U7.N2 | length 154.9
  Top Layer w0.127: 270.2,161.2 271,161.2
  Top Layer w0.152: R77.2@143.532,202.438 144.864,201.107 155.839,190.132 155.839,175.24 169.598,161.481 269.712,161.481 269.993,161.2 270.2,161.2 ; 271,161.2 U7.N2@271.4,161.6
  Top Layer w0.254: Q60.1@142.15,202.272 R77.2@143.25,202.272
DRV72: Q61.1 R78.2 U7.J2 | length 177.2
  Top Layer w0.127: 270.2,164.4 271,164.4
  Top Layer w0.152: R78.2@156,232.472 158.283,230.189 158.283,176.063 170.714,163.632 254.087,163.632 254.855,164.4 270.2,164.4 ; 271,164.4 U7.J2@271.4,164.8
  Top Layer w0.254: Q61.1@154.65,232.272 R78.2@155.75,232.272
DRV73: Q62.1 R79.2 U7.K1 | length 166.6
  Top Layer w0.152: R79.2@155.972,222.5 157.976,220.496 157.976,175.936 170.587,163.325 265.301,163.325 265.975,164 U7.K1@270.6,164
  Top Layer w0.254: Q62.1@154.65,222.272 R79.2@155.75,222.272
DRV74: Q63.1 R80.2 U7.K2 | length 157.8
  Top Layer w0.127: 270.2,163.6 271,163.6
  Top Layer w0.152: R80.2@156.038,212.433 157.67,210.801 157.67,175.809 170.46,163.019 265.427,163.019 266.009,163.6 270.2,163.6 ; 271,163.6 U7.K2@271.4,164
  Top Layer w0.254: Q63.1@154.65,212.272 R80.2@155.75,212.272
DRV75: Q64.1 R81.2 U7.L1 | length 147.2
  Top Layer w0.152: R81.2@156.032,202.438 157.364,201.107 157.364,175.682 170.333,162.713 265.554,162.713 266.042,163.2 U7.L1@270.6,163.2
  Top Layer w0.254: Q64.1@154.65,202.272 R81.2@155.75,202.272
DRV76: Q65.1 R82.2 U7.G2 | length 158.8
  Top Layer w0.127: 270.2,166.8 271,166.8
  Top Layer w0.152: R82.2@168.5,232.472 170.783,230.189 170.783,201.488 181.884,190.386 181.884,174.978 191.999,164.863 253.577,164.863 254.345,165.632 266.727,165.632 267.896,166.8 270.2,166.8 ; 271,166.8 U7.G2@271.4,166.4
  Top Layer w0.254: Q65.1@167.15,232.272 R82.2@168.25,232.272
DRV77: Q66.1 R83.2 U7.G1 | length 148.2
  Top Layer w0.152: R83.2@168.472,222.5 170.476,220.496 170.476,201.361 181.578,190.259 181.578,174.851 191.872,164.557 253.704,164.557 254.472,165.325 266.854,165.325 267.929,166.4 U7.G1@270.6,166.4
  Top Layer w0.254: Q66.1@167.15,222.272 R83.2@168.25,222.272
DRV78: Q67.1 R84.2 U7.H2 | length 139.4
  Top Layer w0.127: 270.2,166 271,166
  Top Layer w0.152: R84.2@168.538,212.433 170.17,210.801 170.17,201.234 181.271,190.132 181.271,174.724 191.745,164.251 253.831,164.251 254.599,165.019 266.981,165.019 267.962,166 270.2,166 ; 271,166 U7.H2@271.4,165.6
  Top Layer w0.254: Q67.1@167.15,212.272 R84.2@168.25,212.272
DRV79: Q68.1 R85.2 U7.H1 | length 128.9
  Top Layer w0.152: R85.2@168.532,202.438 169.864,201.107 180.965,190.005 180.965,174.597 191.618,163.944 253.958,163.944 254.726,164.713 267.108,164.713 268.033,165.638 270.562,165.638 U7.H1@270.6,165.6
  Top Layer w0.254: Q68.1@167.15,202.272 R85.2@168.25,202.272
DRV80: Q69.1 R86.2 U7.C1 | length 151.7
  Top Layer w0.152: R86.2@181,232.472 183.283,230.189 183.283,175.504 192.691,166.095 253.067,166.095 253.835,166.863 266.217,166.863 268.996,169.642 270.558,169.642 U7.C1@270.6,169.6
  Top Layer w0.254: Q69.1@179.65,232.272 R86.2@180.75,232.272
DRV81: Q70.1 R87.2 U7.D2 | length 142.7
  Top Layer w0.127: 270.2,168.4 271,168.4
  Top Layer w0.152: R87.2@180.972,222.5 182.976,220.496 182.976,175.377 192.564,165.789 253.194,165.789 253.962,166.557 266.344,166.557 268.187,168.4 270.2,168.4 ; 271,168.4 U7.D2@271.4,168.8
  Top Layer w0.254: Q70.1@179.65,222.272 R87.2@180.75,222.272
DRV82: Q71.1 R88.2 U7.E1 | length 132
  Top Layer w0.152: R88.2@181.038,212.433 182.67,210.801 182.67,175.25 192.437,165.482 253.32,165.482 254.089,166.251 266.471,166.251 268.22,168 U7.E1@270.6,168
  Top Layer w0.254: Q71.1@179.65,212.272 R88.2@180.75,212.272
DRV83: Q72.1 R89.2 U7.F1 | length 122.2
  Top Layer w0.152: R89.2@181.032,202.438 182.364,201.107 182.364,175.123 192.311,165.176 253.447,165.176 254.216,165.944 266.598,165.944 267.854,167.2 U7.F1@270.6,167.2
  Top Layer w0.254: Q72.1@179.65,202.272 R89.2@180.75,202.272
DRV84: Q73.1 R90.2 U7.A1 | length 131.8
  Top Layer w0.152: R90.2@193.5,232.472 195.783,230.189 195.783,201.488 205.796,191.475 205.796,177.507 215.976,167.327 252.556,167.327 253.325,168.095 265.707,168.095 268.812,171.2 U7.A1@270.6,171.2
  Top Layer w0.254: Q73.1@192.15,232.272 R90.2@193.25,232.272
DRV85: Q74.1 R91.2 U7.B2 | length 123.1
  Top Layer w0.127: 270.2,170.8 271,170.8
  Top Layer w0.152: R91.2@193.472,222.5 195.476,220.496 195.476,201.361 205.489,191.348 205.489,177.38 215.849,167.02 252.683,167.02 253.452,167.789 265.834,167.789 268.845,170.8 270.2,170.8 ; 271,170.8 U7.B2@271.4,170.4
  Top Layer w0.254: Q74.1@192.15,222.272 R91.2@193.25,222.272
DRV86: Q75.1 R92.2 U7.B1 | length 112.4
  Top Layer w0.152: R92.2@193.538,212.433 195.17,210.801 195.17,201.234 205.183,191.221 205.183,177.254 215.723,166.714 252.81,166.714 253.579,167.482 265.961,167.482 268.878,170.4 U7.B1@270.6,170.4
  Top Layer w0.254: Q75.1@192.15,212.272 R92.2@193.25,212.272
DRV87: Q76.1 R93.2 U7.C2 | length 103.7
  Top Layer w0.127: 270.2,170 271,170
  Top Layer w0.152: R93.2@193.532,202.438 194.864,201.107 204.877,191.094 204.877,177.127 215.596,166.408 252.937,166.408 253.706,167.176 266.088,167.176 268.912,170 270.2,170 ; 271,170 U7.C2@271.4,169.6
  Top Layer w0.254: Q76.1@192.15,202.272 R93.2@193.25,202.272
DRV88: Q81.1 R143.2 U7.A4 | length 110.6
  Top Layer w0.152: R143.2@206,232.472 208.283,230.189 208.283,201.488 211.99,197.78 245.675,197.78 270.382,173.074 271.626,173.074 273,171.7 U7.A4@273,171.2
  Top Layer w0.254: Q81.1@204.65,232.272 R143.2@205.75,232.272
DRV89: Q82.1 R144.2 U7.B4 | length 101.4
  Top Layer w0.127: 272.6,170.8 272.6,171.6
  Top Layer w0.152: R144.2@205.972,222.5 207.976,220.496 207.976,201.361 211.863,197.474 245.548,197.474 270.255,172.767 271.5,172.767 272.6,171.667 272.6,171.6 ; 272.6,170.8 U7.B4@273,170.4
  Top Layer w0.254: Q82.1@204.65,222.272 R144.2@205.75,222.272
DRV90: Q83.1 R145.2 U7.A3 | length 90.2
  Top Layer w0.152: R145.2@206.038,212.433 207.67,210.801 207.67,201.234 211.736,197.167 245.421,197.167 270.128,172.461 271.373,172.461 272.2,171.633 U7.A3@272.2,171.2
  Top Layer w0.254: Q83.1@204.65,212.272 R145.2@205.75,212.272
DRV91: Q84.1 R146.2 U7.B3 | length 81
  Top Layer w0.127: 271.8,170.8 271.8,171.6
  Top Layer w0.152: R146.2@206.032,202.438 207.364,201.107 211.609,196.861 245.295,196.861 270.001,172.154 271.246,172.154 271.8,171.6 ; 271.8,170.8 U7.B3@272.2,170.4
  Top Layer w0.254: Q84.1@204.65,202.272 R146.2@205.75,202.272
DRV92: Q85.1 R147.2 U7.B7 | length 101.7
  Top Layer w0.127: 275.8,170.8 275.8,171.457
  Top Layer w0.152: R147.2@218.5,232.472 220.783,230.189 220.783,201.488 223.265,199.006 246.183,199.006 270.89,174.299 272.134,174.299 273.857,172.576 274.682,172.576 275.8,171.457 ; U7.B7@275.4,170.4 275.8,170.8
  Top Layer w0.254: Q85.1@217.15,232.272 R147.2@218.25,232.272
DRV93: Q86.1 R148.2 U7.A6 | length 90
  Top Layer w0.152: R148.2@218.472,222.5 220.476,220.496 220.476,201.361 223.138,198.699 246.056,198.699 270.763,173.993 272.007,173.993 273.731,172.269 274.03,172.269 274.561,171.739 274.561,171.239 U7.A6@274.6,171.2
  Top Layer w0.254: Q86.1@217.15,222.272 R148.2@218.25,222.272
DRV94: Q87.1 R149.2 U7.B6 | length 80.6
  Top Layer w0.127: 274.2,170.8 274.2,171.6
  Top Layer w0.152: R149.2@218.538,212.433 220.17,210.801 220.17,201.234 223.011,198.393 245.929,198.393 270.636,173.686 271.88,173.686 273.604,171.963 273.837,171.963 274.2,171.6 ; 274.2,170.8 U7.B6@274.6,170.4
  Top Layer w0.254: Q87.1@217.15,212.272 R149.2@218.25,212.272
DRV95: Q88.1 R150.2 U7.A5 | length 69.4
  Top Layer w0.152: R150.2@218.532,202.438 222.884,198.086 245.802,198.086 270.509,173.38 271.753,173.38 273.4,171.733 273.4,171.6 U7.A5@273.8,171.2
  Top Layer w0.254: Q88.1@217.15,202.272 R150.2@218.25,202.272
DRV96: Q89.1 R151.2 U7.B9 | length 91.4
  Top Layer w0.127: 277.4,170.8 277.4,171.6
  Top Layer w0.152: R151.2@231,232.472 233.283,230.189 233.283,201.488 234.539,200.231 246.691,200.231 271.397,175.525 272.642,175.525 274.365,173.801 276.096,173.801 276.668,173.229 276.668,172.332 277.4,171.6 ; U7.B9@277,170.4 277.4,170.8
  Top Layer w0.254: Q89.1@229.65,232.272 R151.2@230.75,232.272
DRV97: Q90.1 R152.2 U7.A9 | length 79.8
  Top Layer w0.152: R152.2@230.972,222.5 232.976,220.496 232.976,201.361 234.412,199.925 246.564,199.925 271.27,175.218 272.515,175.218 274.238,173.495 275.062,173.495 277,171.557 U7.A9@277,171.2
  Top Layer w0.254: Q90.1@229.65,222.272 R152.2@230.75,222.272
DRV98: Q91.1 R153.2 U7.B8 | length 70.5
  Top Layer w0.127: 276.6,170.8 276.6,171.524
  Top Layer w0.152: R153.2@231.038,212.433 232.67,210.801 232.67,201.234 234.285,199.618 246.437,199.618 271.143,174.912 272.388,174.912 274.111,173.188 274.936,173.188 276.6,171.524 ; U7.B8@276.2,170.4 276.6,170.8
  Top Layer w0.254: Q91.1@229.65,212.272 R153.2@230.75,212.272
DRV99: Q92.1 R154.2 U7.A8 | length 59.4
  Top Layer w0.152: R154.2@231.032,202.438 232.364,201.107 234.158,199.312 246.31,199.312 271.016,174.605 272.261,174.605 273.984,172.882 274.809,172.882 276.191,171.5 276.191,171.209 U7.A8@276.2,171.2
  Top Layer w0.254: Q92.1@229.65,202.272 R154.2@230.75,202.272
DRV100: Q93.1 R155.2 U7.A13 | length 80.2
  Top Layer w0.152: R155.2@243.5,232.472 245.783,230.189 245.783,202.872 271.905,176.75 273.149,176.75 274.873,175.027 276.604,175.027 277.279,174.352 278.468,174.352 279.349,173.471 279.349,172.746 280.4,171.695 280.4,171.418 280.2,171.218 U7.A13@280.2,171.2
  Top Layer w0.254: Q93.1@242.15,232.272 R155.2@243.25,232.272
DRV101: Q94.1 R156.2 U7.B12 | length 70.5
  Top Layer w0.127: 279,170.8 279,171.6
  Top Layer w0.152: R156.2@243.472,222.5 245.476,220.496 245.476,202.745 271.778,176.444 273.022,176.444 274.746,174.72 276.477,174.72 277.152,174.045 278.341,174.045 279,173.386 279,171.6 ; 279,170.8 U7.B12@279.4,170.4
  Top Layer w0.254: Q94.1@242.15,222.272 R156.2@243.25,222.272
DRV102: Q95.1 R157.2 U7.A11 | length 59.3
  Top Layer w0.152: R157.2@243.538,212.433 245.17,210.801 245.17,202.618 271.651,176.137 272.896,176.137 274.619,174.414 276.35,174.414 277.025,173.739 278.214,173.739 278.6,173.353 U7.A11@278.6,171.2
  Top Layer w0.254: Q95.1@242.15,212.272 R157.2@243.25,212.272
DRV103: Q96.1 R158.2 U7.A10 | length 50.3
  Top Layer w0.152: R158.2@243.5,202.522 244.833,202.522 271.524,175.831 272.769,175.831 274.492,174.108 276.223,174.108 276.898,173.433 278.087,173.433 278.294,173.226 278.294,171.694 U7.A10@277.8,171.2
  Top Layer w0.254: Q96.1@242.15,202.272 R158.2@243.25,202.272
ECLK_15: U7.A14 U8.6 | length 10.2
  Top Layer w0.152: U8.6@276.13,178.735 277.165,178.735 280.055,175.845 280.055,172.974 280.749,172.281 280.749,171.451 U7.A14@281,171.2
ECS_15: U7.A15 U8.1 | length 5.3
  Top Layer w0.152: U7.A15@281.8,171.2 281.8,172.426 282.157,172.783 282.157,176.017 281.979,176.195 U8.1@281.87,176.195
ESI_15: U7.B14 U8.5 | length 12.1
  Top Layer w0.127: 281.4,170.8 281.4,171.6
  Top Layer w0.152: U8.5@276.13,180.005 276.308,179.827 276.554,179.827 280.447,175.934 280.447,173.888 281.109,173.226 281.109,171.891 281.4,171.6 ; U7.B14@281,170.4 281.4,170.8
ESO_15: U7.A16 U8.2 | length 7.6
  Top Layer w0.152: U8.2@281.87,177.465 282.048,177.287 282.294,177.287 283.447,176.134 283.447,173.597 282.4,172.549 282.4,171.418 282.6,171.218 U7.A16@282.6,171.2
F_CS_15: R184.1 U7.J4 U11.11 | length 17.2
  Top Layer w0.152: v1(272.6,165.2) U7.J4@273,164.8
  Inner5 w0.152: v1(259.15,163.921) 259.959,164.73 270.473,164.73 270.913,165.17 272.57,165.17 v1(272.6,165.2)
  Bottom Layer w0.152: v1(259.15,163.921) 259.15,162.85 259.15,161.432 R184.1@259.276,161.306
F_HS1_15_N: R171.1 U7.M18 | length 3.3
  Top Layer w0.14: U7.M18@284.2,162.4 284.209,162.4 284.417,162.608 284.533,162.608 285.298,161.843 285.298,160.873 285.604,160.567 R171.1@285.604,160.182
F_HS1_15_P: R169.1 U7.L18 | length 3.6
  Top Layer w0.14: U7.L18@284.2,163.2 284.2,163.176 284.45,162.926 284.664,162.926 285.615,161.974 285.615,161.004 285.837,160.783 R169.1@286.217,160.783
F_HS2_15_N: R174.1 U7.T18 | length 2.7
  Top Layer w0.14: U7.T18@284.2,159.2 284.441,159.441 284.744,159.441 285.917,158.268 R174.1@285.917,157.883
F_HS2_15_P: R172.1 U7.R18 | length 3
  Top Layer w0.14: U7.R18@284.2,160 284.441,159.759 284.876,159.759 286.151,158.484 R172.1@286.531,158.484
F_MISO_15: U7.J3 U11.9 | length 13.2
  Top Layer w0.152: v1(271.8,164.4) U7.J3@272.2,164.8
  Inner5 w0.152: v1(260.45,163.921) 260.929,164.4 v1(271.8,164.4)
  Bottom Layer w0.152: U11.9@260.45,162.85 v1(260.45,163.921)
F_MOSI_15: U7.H4 U11.6 | length 15.1
  Top Layer w0.152: v1(272.6,166) U7.H4@273,165.6
  Inner5 w0.152: v1(268.536,165.174) 269.087,165.725 270.465,165.725 270.687,165.503 272.103,165.503 v1(272.6,166)
  Bottom Layer w0.152: U11.6@260.45,168.5 260.45,167.65 262.926,165.174 v1(268.536,165.174)
F_SCLK_15: U7.G3 U11.3 | length 16.1
  Top Layer w0.152: v1(271.8,166.8) U7.G3@272.2,166.4
  Inner5 w0.152: v1(258.5,169.571) 261.271,166.8 v1(271.8,166.8)
  Bottom Layer w0.152: U11.3@258.5,168.5 v1(258.5,169.571)
FPGACLK_15: R43.2 U7.C11 | length 2.3
  Top Layer w0.152: U7.C11@278.6,169.6 v1(279,170)
  Bottom Layer w0.152: R43.2@278.984,171.75 279,171.734 v1(279,170)
FUN_F_1: J4.8 R187.2 R188.2 X1.38 X3_1.A10 X3_2.A10 X3_3.A10 X3_4.A10 X3_5.A10 X3_6.A10 X3_7.A10 X3_8.A10 X3_9.A10 | length 378.5
  Top Layer w0.152: v1(267.1,157.511) R188.2@267.8,157.511
  Top Layer w0.203: J4.8@237.46,104.73 238.1,104.09 R187.2@238.1,101.4
  Inner2 w0.152: X3_1.A10@50.438,181.428 51.4,182.39 68.881,182.39 69.866,183.376 73.171,183.376 73.874,182.673 73.874,182.367 X3_2.A10@74.813,181.428 75.775,182.39 93.256,182.39 94.241,183.376 97.546,183.376 98.249,182.673 98.249,182.367 X3_3.A10@99.188,181.428 ; X3_3.A10@99.25,181.428 100.212,182.39 117.694,182.39 118.679,183.376 121.983,183.376 122.686,182.673 122.686,182.367 X3_4.A10@123.594,181.459 ; X3_4.A10@123.563,181.428 124.525,182.39 142.006,182.39 142.991,183.376 146.296,183.376 146.999,182.673 146.999,182.367 X3_5.A10@147.938,181.428 148.9,182.39 166.381,182.39 167.366,183.376 170.671,183.376 171.374,182.673 171.374,182.367 X3_6.A10@172.281,181.459 ; X3_6.A10@172.25,181.428 173.212,182.39 190.694,182.39 191.679,183.376 194.983,183.376 195.686,182.673 195.686,182.367 X3_7.A10@196.625,181.428 ; X3_7.A10@196.688,181.428 197.65,182.39 215.131,182.39 216.116,183.376 219.421,183.376 220.124,182.673 220.124,182.367 X3_8.A10@221.063,181.428 222.025,182.39 239.506,182.39 240.491,183.376 243.796,183.376 244.499,182.673 244.499,182.367 X3_9.A10@245.438,181.428 247.927,178.939 247.927,177.438 266.373,158.992 266.373,157.885 266.747,157.511 v1(267.1,157.511) 267.1,136.269 238.736,107.905 238.736,106.006 J4.8@237.46,104.73
  Inner5 w0.203: J4.8@237.46,104.73 237.46,101.935 233.894,98.368 233.894,68.84 235.394,67.34 235.394,44.74 X1.38@238.724,41.41
FUNC_15: R188.1 U7.L5 | length 9.9
  Top Layer w0.152: R188.1@268.6,157.511 v1(268.6,158.211) ; U7.L5@273.8,163.2 v1(274.2,163.6)
  Inner2 w0.152: v1(268.6,158.211) 268.6,159.636 271.36,162.396 272.996,162.396 v1(274.2,163.6)